# KiCad board pcb.kicad_pcb
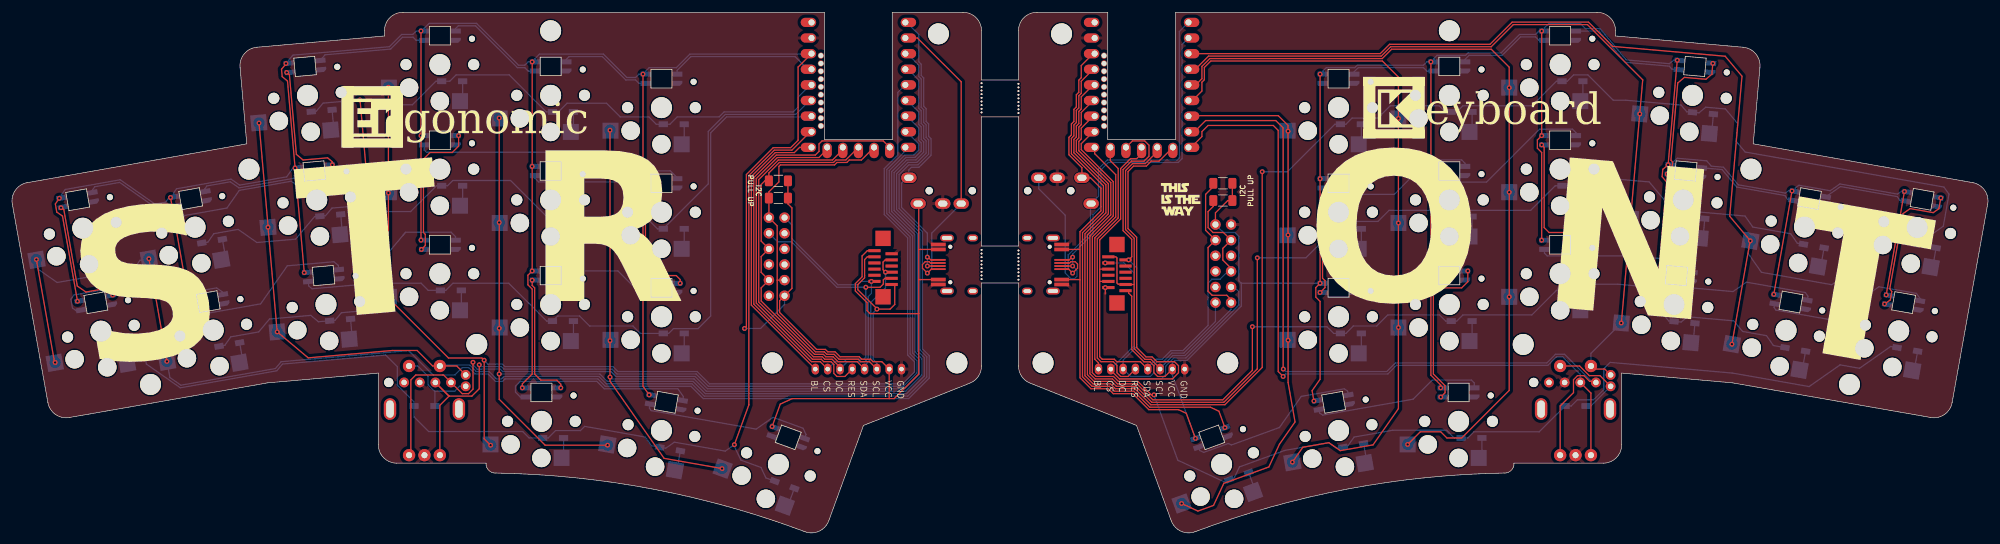
[diagram p0: board, top side]
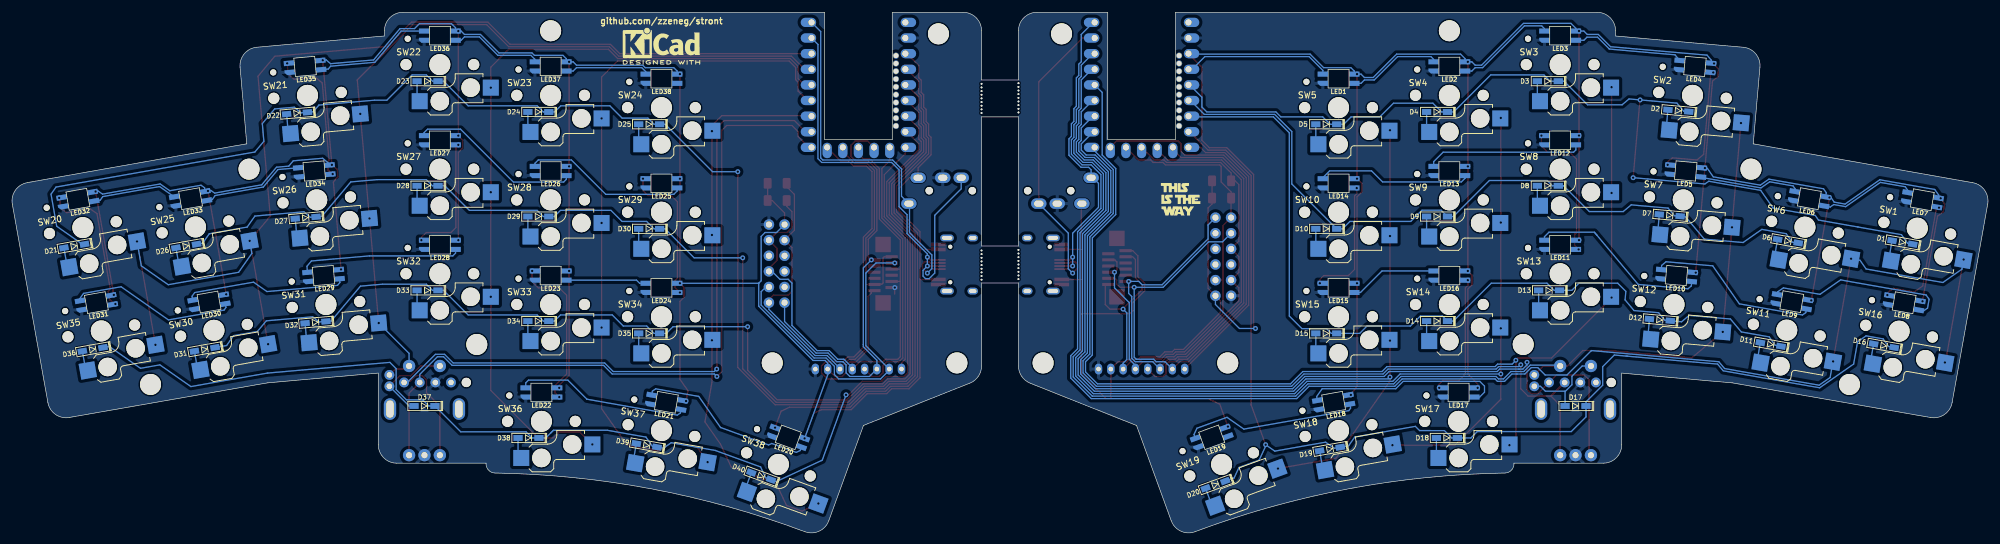
[diagram p1: board, bottom side, seen from below]

Outline 321.01 x 84.63 mm; copper layers: Top, Bottom. Coordinates in mm from the lower left corner of the outline.
Outline path: 0.05,53.45 arc(0.54,55.7) 2.48,56.94 38.14,63.25 37.05,75.7 arc(37.74,77.89) 39.77,78.95 60.5,80.78 60.5,81.63 arc(61.38,83.75) 63.5,84.63 132,84.63 132,63.93 143,63.93 143,84.63 154.5,84.63 arc(156.62,83.75) 157.5,81.63 157.5,73.63 163.5,73.63 163.5,81.63 arc(164.38,83.75) 166.5,84.63 178,84.63 178,63.93 189,63.93 189,84.63 257.5,84.63 arc(259.62,83.75) 260.5,81.63 260.5,80.78 281.23,78.95 arc(283.27,77.89) 283.96,75.7 282.87,63.25 318.53,56.94 arc(320.47,55.7) 320.96,53.45 315.18,21.18 arc(313.94,19.25) 311.71,18.76 279.47,24.39 261.5,25.98 261.5,14.33 arc(260.62,12.21) 258.5,11.33 244,11.33 244,11.23 arc(243.57,10.18) 242.53,9.73 arc(216.95,7.13) 192.2,0.19 arc(189.89,0.27) 188.32,1.97 182.68,17.46 165.39,24.34 arc(164.02,25.45) 163.5,27.13 163.5,40.63 157.5,40.63 157.5,27.13 arc(156.99,25.45) 155.61,24.34 138.32,17.46 132.68,1.97 arc(131.12,0.27) 128.81,0.19 arc(104.06,7.13) 78.48,9.73 arc(77.43,10.18) 77,11.23 77,11.33 62.5,11.33 arc(60.38,12.21) 59.5,14.33 59.5,25.98 41.54,24.39 9.3,18.76 arc(7.06,19.25) 5.83,21.18 0.05,53.45 ; 157.5,67.63 157.5,46.63 163.5,46.63 163.5,67.63 157.5,67.63
Stack: Top 0.035mm / dielectric 1.51mm FR4 er 4.5 / Bottom 0.035mm

## Placement (name value [footprint] x y rotation side)
BR1  MountingHole  [Hole_Breakaway-Tabs]  157.5 70.73 90 top
BR2  MountingHole  [Hole_Breakaway-Tabs]  157.5 43.63 90 top
BR3  MountingHole  [Hole_Breakaway-Tabs]  163.5 70.63 90 top
BR4  MountingHole  [Hole_Breakaway-Tabs]  163.5 43.54 90 top
CIRQUE1  Conn_01x12_Female  [Connector_FFC-FPC-vertical-12pin]  141.5 43.13 0 top
CIRQUE2  Conn_01x12_Female  [Connector_FPC-FFC-adapter-12pin]  125.5 38.55 180 top
CIRQUE3  Conn_01x12_Female  [Connector_FFC-FPC-vertical-12pin]  179.5 42.13 180 top
CIRQUE4  Conn_01x12_Female  [Connector_FPC-FFC-adapter-12pin]  195.5 50.13 0 top
D1  D_Small  [Diode_1N4148-SOD123]  13.9 47.23 10 bottom
D2  D_Small  [Diode_1N4148-SOD123]  50.3 68.63 5 bottom
D3  D_Small  [Diode_1N4148-SOD123]  71.5 73.43 0 bottom
D4  D_Small  [Diode_1N4148-SOD123]  89.5 68.43 0 bottom
D5  D_Small  [Diode_1N4148-SOD123]  107.5 66.43 0 bottom
D6  D_Small  [Diode_1N4148-SOD123]  32.5 47.43 10 bottom
D7  D_Small  [Diode_1N4148-SOD123]  51.7 51.63 5 bottom
D8  D_Small  [Diode_1N4148-SOD123]  71.5 56.43 0 bottom
D9  D_Small  [Diode_1N4148-SOD123]  89.5 51.43 0 bottom
D10  D_Small  [Diode_1N4148-SOD123]  107.5 49.43 0 bottom
D11  D_Small  [Diode_1N4148-SOD123]  35.3 30.63 10 bottom
D12  D_Small  [Diode_1N4148-SOD123]  53.3 34.63 5 bottom
D13  D_Small  [Diode_1N4148-SOD123]  71.3 39.43 0 bottom
D14  D_Small  [Diode_1N4148-SOD123]  89.5 34.43 0 bottom
D15  D_Small  [Diode_1N4148-SOD123]  107.5 32.43 0 bottom
D16  D_Small  [Diode_1N4148-SOD123]  16.9 30.43 10 bottom
D17  D_Small  [Diode_1N4148-SOD123]  67 20.63 0 bottom
D18  D_Small  [Diode_1N4148-SOD123]  87.9 15.43 0 bottom
D19  D_Small  [Diode_1N4148-SOD123]  106.9 13.63 350 bottom
D20  D_Small  [Diode_1N4148-SOD123]  125.5 7.83 340 bottom
D21  D_Small  [Diode_1N4148-SOD123]  310.9 46.63 350 bottom
D22  D_Small  [Diode_1N4148-SOD123]  274.7 68.23 355 bottom
D23  D_Small  [Diode_1N4148-SOD123]  253.5 73.43 0 bottom
D24  D_Small  [Diode_1N4148-SOD123]  235.5 68.43 0 bottom
D25  D_Small  [Diode_1N4148-SOD123]  217.5 66.43 0 bottom
D26  D_Small  [Diode_1N4148-SOD123]  292.7 46.63 350 bottom
D27  D_Small  [Diode_1N4148-SOD123]  273.3 51.23 355 bottom
D28  D_Small  [Diode_1N4148-SOD123]  253.5 56.43 0 bottom
D29  D_Small  [Diode_1N4148-SOD123]  235.5 51.43 0 bottom
D30  D_Small  [Diode_1N4148-SOD123]  217.5 49.43 0 bottom
D31  D_Small  [Diode_1N4148-SOD123]  289.7 29.83 350 bottom
D32  D_Small  [Diode_1N4148-SOD123]  271.7 34.23 355 bottom
D33  D_Small  [Diode_1N4148-SOD123]  253.5 39.43 0 bottom
D34  D_Small  [Diode_1N4148-SOD123]  235.5 34.43 0 bottom
D35  D_Small  [Diode_1N4148-SOD123]  217.5 32.43 0 bottom
D36  D_Small  [Diode_1N4148-SOD123]  307.9 29.83 350 bottom
D37  D_Small  [Diode_1N4148-SOD123]  254 20.63 0 bottom
D38  D_Small  [Diode_1N4148-SOD123]  237.1 15.43 0 bottom
D39  D_Small  [Diode_1N4148-SOD123]  217.9 14.23 10 bottom
D40  D_Small  [Diode_1N4148-SOD123]  199.3 9.23 20 bottom
DISP1  Display_generic-spi-8pin  [Connector_Display-8pin-SPI-2.0mm]  144.5 26.63 180 top
DISP2  Display_generic-spi-8pin  [Connector_Display-8pin-SPI-2.0mm]  190.5 26.63 180 top
H1  MountingHole  [Hole_M2-spacer]  153.5 27.63 0 top
H2  MountingHole  [Hole_M2-spacer]  22.5 24.13 0 top
H3  MountingHole  [Hole_M2-spacer]  38.5 59.13 0 top
H4  MountingHole  [Hole_M2-spacer]  87.5 81.63 0 top
H6  MountingHole  [Hole_M2-spacer]  123.5 27.63 0 top
H7  MountingHole  [Hole_M2-spacer]  75.5 30.63 0 top
H9  MountingHole  [Hole_M2-spacer]  197.5 27.63 0 top
H10  MountingHole  [Hole_M2-spacer]  298.5 24.13 0 top
H12  MountingHole  [Hole_M2-spacer]  245.5 30.63 0 top
H13  MountingHole  [Hole_M2-spacer]  167.5 27.63 0 top
H14  MountingHole  [Hole_M2-spacer]  233.5 81.63 0 top
H15  MountingHole  [Hole_M2-spacer]  282.5 59.13 0 top
H17  MountingHole  [Hole_M2-spacer]  150.5 81.13 0 top
H19  MountingHole  [Hole_M2-spacer]  170.5 81.13 0 top
LED1  YS-SK6812MINI-E  [LED_SK6812-MINI-E]  105.5 73.83 0 top
LED2  YS-SK6812MINI-E  [LED_SK6812-MINI-E]  87.5 75.83 0 top
LED3  YS-SK6812MINI-E  [LED_SK6812-MINI-E]  69.5 80.83 0 top
LED4  YS-SK6812MINI-E  [LED_SK6812-MINI-E]  47.6 75.83 5 top
LED5  YS-SK6812MINI-E  [LED_SK6812-MINI-E]  49.1 58.83 5 top
LED6  YS-SK6812MINI-E  [LED_SK6812-MINI-E]  29.02 54.33 10 top
LED7  YS-SK6812MINI-E  [LED_SK6812-MINI-E]  10.67 54.16 10 top
LED8  YS-SK6812MINI-E  [LED_SK6812-MINI-E]  13.62 37.42 10 top
LED9  YS-SK6812MINI-E  [LED_SK6812-MINI-E]  31.87 37.59 10 top
LED10  YS-SK6812MINI-E  [LED_SK6812-MINI-E]  50.6 41.83 5 top
LED11  YS-SK6812MINI-E  [LED_SK6812-MINI-E]  69.5 46.83 0 top
LED12  YS-SK6812MINI-E  [LED_SK6812-MINI-E]  69.5 63.83 0 top
LED13  YS-SK6812MINI-E  [LED_SK6812-MINI-E]  87.5 58.83 0 top
LED14  YS-SK6812MINI-E  [LED_SK6812-MINI-E]  105.5 56.83 0 top
LED15  YS-SK6812MINI-E  [LED_SK6812-MINI-E]  105.5 39.83 0 top
LED16  YS-SK6812MINI-E  [LED_SK6812-MINI-E]  87.5 41.83 0 top
LED17  YS-SK6812MINI-E  [LED_SK6812-MINI-E]  86 22.83 0 top
LED18  YS-SK6812MINI-E  [LED_SK6812-MINI-E]  106.3 21.23 350 top
LED19  YS-SK6812MINI-E  [LED_SK6812-MINI-E]  126.1 15.53 340 top
LED20  YS-SK6812MINI-E  [LED_SK6812-MINI-E]  194.9 15.53 20 top
LED21  YS-SK6812MINI-E  [LED_SK6812-MINI-E]  214.7 21.23 10 top
LED22  YS-SK6812MINI-E  [LED_SK6812-MINI-E]  235 22.83 0 top
LED23  YS-SK6812MINI-E  [LED_SK6812-MINI-E]  233.5 41.83 0 top
LED24  YS-SK6812MINI-E  [LED_SK6812-MINI-E]  215.5 39.83 0 top
LED25  YS-SK6812MINI-E  [LED_SK6812-MINI-E]  215.5 56.83 0 top
LED26  YS-SK6812MINI-E  [LED_SK6812-MINI-E]  233.5 58.83 0 top
LED27  YS-SK6812MINI-E  [LED_SK6812-MINI-E]  251.5 63.83 0 top
LED28  YS-SK6812MINI-E  [LED_SK6812-MINI-E]  251.5 46.83 0 top
LED29  YS-SK6812MINI-E  [LED_SK6812-MINI-E]  270.4 41.83 355 top
LED30  YS-SK6812MINI-E  [LED_SK6812-MINI-E]  289 37.53 350 top
LED31  YS-SK6812MINI-E  [LED_SK6812-MINI-E]  307.3 37.43 350 top
LED32  YS-SK6812MINI-E  [LED_SK6812-MINI-E]  310.3 54.23 350 top
LED33  YS-SK6812MINI-E  [LED_SK6812-MINI-E]  292 54.33 350 top
LED34  YS-SK6812MINI-E  [LED_SK6812-MINI-E]  271.9 58.83 355 top
LED35  YS-SK6812MINI-E  [LED_SK6812-MINI-E]  273.4 75.83 355 top
LED36  YS-SK6812MINI-E  [LED_SK6812-MINI-E]  251.5 80.83 0 top
LED37  YS-SK6812MINI-E  [LED_SK6812-MINI-E]  233.5 75.83 0 top
LED38  YS-SK6812MINI-E  [LED_SK6812-MINI-E]  215.5 73.83 0 top
MCU1  rp2040-zero  [MCU_rp2040-zero-tht-pads]  137.5 72.83 0 top
MCU2  rp2040-zero  [MCU_rp2040-zero-tht-pads]  183.5 72.83 0 top
R1  R  [R_1206_3216Metric_Pad1.30x1.75mm_HandSolder]  124.5 57.23 180 top
R2  R  [R_1206_3216Metric_Pad1.30x1.75mm_HandSolder]  124.5 54.43 180 top
R3  R  [R_1206_3216Metric_Pad1.30x1.75mm_HandSolder]  196.7 54.03 180 top
R4  R  [R_1206_3216Metric_Pad1.30x1.75mm_HandSolder]  196.7 56.83 180 top
RE1  RotaryEncoder_Switch  [RotaryEncoder_EC11]  67 20.13 90 top
RE2  RotaryEncoder_Switch  [RotaryEncoder_EC11]  254 20.13 90 top
REF**  -  [Logo_PCBWay-small]  187.5 54.13 0 top
REF**#2  -  [Logo_QMK-soldermask]  105.5 79.63 0 top
REF**#3  -  [Logo_stront-small]  133.5 53.13 0 top
REF**#4  -  [Display_1.69inch]  183.5 59.63 180 top
REF**#5  -  [Display_1.69inch]  137.5 59.63 180 top
REF**#6  -  [KiCad-Logo2_5mm_SilkScreen]  215.5 79.13 180 bottom
REF**#7  -  [Logo_PCBWay-small]  133.5 54.13 180 bottom
REF**#8  -  [Logo_stront-small]  187.5 53.13 180 bottom
ROLL1  RollerEncoder_EVQWGD001  [RotaryEncoder_EVQWGD001]  67.5 18.83 270 top
ROLL2  RollerEncoder_EVQWGD001  [RotaryEncoder_EVQWGD001]  253.5 18.83 270 top
SW1  Switch  [Switch_ChocV1-hotswap]  11.49 49.53 10 top
SW2  Switch  [Switch_ChocV1-hotswap]  48 71.13 5 top
SW3  Switch  [Switch_ChocV1-hotswap]  69.5 76.13 0 top
SW4  Switch  [Switch_ChocV1-hotswap]  87.5 71.13 0 top
SW5  Switch  [Switch_ChocV1-hotswap]  105.5 69.13 0 top
SW6  Switch  [Switch_ChocV1-hotswap]  29.74 49.7 10 top
SW7  Switch  [Switch_ChocV1-hotswap]  49.5 54.13 5 top
SW8  Switch  [Switch_ChocV1-hotswap]  69.5 59.13 0 top
SW9  Switch  [Switch_ChocV1-hotswap]  87.5 54.13 0 top
SW10  Switch  [Switch_ChocV1-hotswap]  105.5 52.13 0 top
SW11  Switch  [Switch_ChocV1-hotswap]  32.69 32.96 10 top
SW12  Switch  [Switch_ChocV1-hotswap]  51 37.13 5 top
SW13  Switch  [Switch_ChocV1-hotswap]  69.5 42.13 0 top
SW14  Switch  [Switch_ChocV1-hotswap]  87.5 37.13 0 top
SW15  Switch  [Switch_ChocV1-hotswap]  105.5 35.13 0 top
SW16  Switch  [Switch_ChocV1-hotswap]  14.44 32.79 10 top
SW17  Switch  [Switch_ChocV1-hotswap]  86 18.13 0 top
SW18  Switch  [Switch_ChocV1-hotswap]  105.5 16.63 350 top
SW19  Switch  [Switch_ChocV1-hotswap]  124.5 11.13 340 top
SW20  Switch  [Switch_ChocV1-hotswap]  309.5 49.63 350 top
SW21  Switch  [Switch_ChocV1-hotswap]  273 71.13 355 top
SW22  Switch  [Switch_ChocV1-hotswap]  251.5 76.13 0 top
SW23  Switch  [Switch_ChocV1-hotswap]  233.5 71.13 0 top
SW24  Switch  [Switch_ChocV1-hotswap]  215.5 69.13 0 top
SW25  Switch  [Switch_ChocV1-hotswap]  291.2 49.73 350 top
SW26  Switch  [Switch_ChocV1-hotswap]  271.5 54.13 355 top
SW27  Switch  [Switch_ChocV1-hotswap]  251.5 59.13 0 top
SW28  Switch  [Switch_ChocV1-hotswap]  233.5 54.13 0 top
SW29  Switch  [Switch_ChocV1-hotswap]  215.5 52.13 0 top
SW30  Switch  [Switch_ChocV1-hotswap]  288.2 32.93 350 top
SW31  Switch  [Switch_ChocV1-hotswap]  270 37.13 355 top
SW32  Switch  [Switch_ChocV1-hotswap]  251.5 42.13 0 top
SW33  Switch  [Switch_ChocV1-hotswap]  233.5 37.13 0 top
SW34  Switch  [Switch_ChocV1-hotswap]  215.5 35.13 0 top
SW35  Switch  [Switch_ChocV1-hotswap]  306.5 32.83 350 top
SW36  Switch  [Switch_ChocV1-hotswap]  235 18.13 0 top
SW37  Switch  [Switch_ChocV1-hotswap]  215.5 16.63 10 top
SW38  Switch  [Switch_ChocV1-hotswap]  196.5 11.13 20 top
TRRS1  AudioJack4  [Connector_TRRS]  157.5 55.63 270 top
TRRS2  AudioJack4  [Connector_TRRS]  163.5 55.63 90 top
USB1  Connector_HRO-TYPE-C-31-M-12  [Connector_HRO-TYPE-C-31-M-12-data]  158.68 43.63 90 top
USB2  Connector_HRO-TYPE-C-31-M-12  [Connector_HRO-TYPE-C-31-M-12-data]  162.33 43.63 270 top

## Library data of the parts
BR1-BR4 H1-H4 H6 H7 H9 H10 H12-H15 H17 H19 = -: Description: Mounting Hole without connection
D1-D40 = -: Description: Diode, small symbol; Sim.Device: D; Sim.Pins: 1=K 2=A
R1-R4 = -: Description: Resistor
RE1 RE2 = -: Description: Rotary encoder, dual channel, incremental quadrate outputs, with switch
TRRS1 TRRS2 = -: Description: Audio Jack, 4 Poles (TRRS)

## Footprints (pads in the part's own frame, mm; a bottom-side part is the same pattern mirrored in y, then rotated)
Connector_Display-8pin-SPI-2.0mm
  oval 1.2x1.75 hole 0.75: 1(0,0) 2(2,0) 3(4,0) 4(6,0) 5(8,0) 6(10,0) 7(12,0) 8(14,0)
Connector_FFC-FPC-vertical-12pin
  rect 2.5x2.5 smd: (0,4.75) (0,-4.75)
  custom 2x0.5 smd: 1(-1.9,2.75) 2(1.9,2.25) 3(-1.9,1.75) 4(1.9,1.25) 5(-1.9,0.75) 6(1.9,0.25) 8(1.9,-0.75) 9(-1.9,-1.25) 10(1.9,-1.75) 11(-1.9,-2.25) 12(1.9,-2.75)
  rect 2x0.5 smd: 7(-1.4,-0.25)
Connector_FPC-FFC-adapter-12pin
  round 1.7 hole 1: 1(0,0)
  oval 1.7x1.7 hole 1: 2(2.54,0) 3(0,-2.54) 4(2.54,-2.54) 5(0,-5.08) 6(2.54,-5.08) 7(0,-7.62) 8(2.54,-7.62) 9(0,-10.16) 10(2.54,-10.16) 11(0,-12.7) 12(2.54,-12.7)
Connector_HRO-TYPE-C-31-M-12-data
  round 0.65 hole 0.65 unplated: (-2.89,6.25) (2.89,6.25)
  custom 0.6x2.4 smd: 1(-3.25,9.1) 2(-2.45,9.1) 11(2.45,9.1) 12(3.25,9.1)
  custom 0.3x2.4 smd: 5(-0.75,9.1) 6(-0.25,9.1) 7(0.25,9.1) 8(0.75,9.1)
  oval 1.1x2.2 hole 0.6x1.7: 13(-4.32,6.78) 13(4.32,6.78)
  oval 1.1x1.7 hole 0.6x1.2: 13(-4.32,2.6) 13(4.32,2.6)
Connector_TRRS
  round 1.2 hole 1.2 unplated: (0,-1.5) (0,-8.5)
  oval 1.7x2.5 hole 1x1.5: R1(2.1,-6.3) R2(2.1,-3.3) S(-2.1,-11.8) T(2.1,-10.3)
Diode_1N4148-SOD123
  rect 1.5x0.95 smd: 1(-1.7,0) 2(1.7,0)
Hole_Breakaway-Tabs
  round 0.3 hole 0.3 unplated: (-2.375,0) (-1.781,0) (-1.188,0) (-0.594,0) (0,0) (0.594,0) (1.188,0) (1.781,0) (2.375,0)
Hole_M2-spacer
  round 3.4 hole 3.4 unplated: (0,0)
LED_SK6812-MINI-E
  rect 1.7x0.82 smd far side: 1(-2.55,0.75) 2(-2.55,-0.75) 4(2.55,0.75)
  rrect 1.7x0.82 smd far side: 3(2.55,-0.75)
MCU_rp2040-zero-tht-pads
  oval 2.5x1.5 hole 1: 1(7.62,10.16) 2(7.62,7.62) 3(7.62,5.08) 4(7.62,2.54) 5(7.62,0) 6(7.62,-2.54) 7(7.62,-5.08) 8(7.62,-7.62) 9(7.62,-10.16) 15(-7.62,-10.16) 16(-7.62,-7.62) 17(-7.62,-5.08) 18(-7.62,-2.54) 19(-7.62,0) 20(-7.62,2.54) 21(-7.62,5.08) 22(-7.62,7.62) 23(-7.62,10.16)
  oval 1.5x2.5 hole 1: 10(5.08,-10.16) 11(2.54,-10.16) 12(0,-10.16) 13(-2.54,-10.16) 14(-5.08,-10.16)
  round 1 hole 0.8: 24(-6.096,-6.674) 25(-6.096,-5.404) 26(-6.096,-4.134) 27(-6.096,-2.864) 28(-6.096,-1.594) 29(-6.096,-0.324) 30(-6.096,0.946) 31(-6.096,2.216) 32(-6.096,3.486) 33(-6.096,4.756)
R_1206_3216Metric_Pad1.30x1.75mm_HandSolder
  rrect 1.3x1.75 smd: 1(-1.55,0) 2(1.55,0)
RotaryEncoder_EC11
  oval 3.5x2 hole 2.8x1.2: (0,5.6) (0,-5.6)
  round 2 hole 1: A(-7.5,2.5) B(-7.5,-2.5) C(-7.5,0) S1(7,-2.5) S2(7,2.5)
RotaryEncoder_EVQWGD001
  round 1.5 hole 1.5 unplated: (-5.625,-6.3)
  round 1.6 hole 0.9: A(-5.625,3.81) B(-5.625,1.27) C(-5.625,-1.27) D(-5.625,-3.81) S1(-6.85,6.2) S2(-5,6.2)
Switch_ChocV1-hotswap
  round 1.8 hole 1.8 unplated: (-5.5,0) (5.5,0)
  round 3 hole 3 unplated: (-5,-3.75) (0,-5.95)
  round 3.4 hole 3.4 unplated: (0,0)
  round 0.991 hole 0.991 unplated: (5.22,4.2)
  rect 2.6x2.6 smd far side: 1(3.275,-5.95) 2(-8.275,-3.75)

## Nets
GND: CIRQUE1.2 CIRQUE2.2 DISP1.1 LED1.3 LED2.3 LED3.3 LED4.3 LED5.3 LED6.3 LED7.3 LED8.3 LED9.3 LED10.3 LED11.3 LED12.3 LED13.3 LED14.3 LED15.3 LED16.3 LED17.3 LED18.3 LED19.3 MCU1.22 RE1.C ROLL1.C TRRS1.R1 USB1.1 USB1.12
GNDA: CIRQUE3.2 CIRQUE4.2 DISP2.1 LED20.3 LED21.3 LED22.3 LED23.3 LED24.3 LED25.3 LED26.3 LED27.3 LED28.3 LED29.3 LED30.3 LED31.3 LED32.3 LED33.3 LED34.3 LED35.3 LED36.3 LED37.3 LED38.3 MCU2.22 RE2.C ROLL2.C TRRS2.R1 USB2.1 USB2.12
VCC: CIRQUE1.1 CIRQUE2.1 DISP1.2 LED1.1 LED2.1 LED3.1 LED4.1 LED5.1 LED6.1 LED7.1 LED8.1 LED9.1 LED10.1 LED11.1 LED12.1 LED13.1 LED14.1 LED15.1 LED16.1 LED17.1 LED18.1 LED19.1 MCU1.21 R1.1 R2.1 TRRS1.T USB1.2 USB1.11
VDD: CIRQUE3.1 CIRQUE4.1 DISP2.2 LED20.1 LED21.1 LED22.1 LED23.1 LED24.1 LED25.1 LED26.1 LED27.1 LED28.1 LED29.1 LED30.1 LED31.1 LED32.1 LED33.1 LED34.1 LED35.1 LED36.1 LED37.1 LED38.1 MCU2.21 R3.1 R4.1 TRRS2.T USB2.2 USB2.11
BL: DISP1.8 MCU1.15
BL_r: DISP2.8 MCU2.15
col0: MCU1.3 SW1.2 SW6.2 SW11.2 SW16.2
col0_r: MCU2.3 SW20.2 SW25.2 SW30.2 SW35.2
col1: MCU1.4 RE1.S1 ROLL1.S1 SW2.2 SW7.2 SW12.2
col1_r: MCU2.4 RE2.S1 ROLL2.S1 SW21.2 SW26.2 SW31.2
col2: MCU1.5 SW3.2 SW8.2 SW13.2 SW17.2
col2_r: MCU2.5 SW22.2 SW27.2 SW32.2 SW36.2
col3: MCU1.6 SW4.2 SW9.2 SW14.2 SW18.2
col3_r: MCU2.6 SW23.2 SW28.2 SW33.2 SW37.2
col4: MCU1.7 SW5.2 SW10.2 SW15.2 SW19.2
col4_r: MCU2.7 SW24.2 SW29.2 SW34.2 SW38.2
CS: CIRQUE1.10 CIRQUE2.10 DISP1.7 MCU1.10
CS_r: CIRQUE3.10 CIRQUE4.10 DISP2.7 MCU2.10
ENCA: MCU1.8 RE1.A ROLL1.A
ENCA_r: MCU2.8 RE2.A ROLL2.A
ENCB: MCU1.9 RE1.B ROLL1.B
ENCB_r: MCU2.9 RE2.B ROLL2.B
LED: LED1.4 MCU1.20
LED_r: LED20.4 MCU2.20
MISO: CIRQUE1.11 CIRQUE2.11 DISP1.6 MCU1.13
MISO_r: CIRQUE3.11 CIRQUE4.11 DISP2.6 MCU2.13
MOSI/SCL: CIRQUE1.4 CIRQUE1.8 CIRQUE2.4 CIRQUE2.8 DISP1.4 MCU1.12 R1.2
MOSI/SCL_r: CIRQUE3.4 CIRQUE3.8 CIRQUE4.4 CIRQUE4.8 DISP2.4 MCU2.12 R3.2
row0: D1.1 D2.1 D3.1 D4.1 D5.1 MCU1.19
row0_r: D21.1 D22.1 D23.1 D24.1 D25.1 MCU2.19
row1: D6.1 D7.1 D8.1 D9.1 D10.1 MCU1.18
row1_r: D26.1 D27.1 D28.1 D29.1 D30.1 MCU2.18
row2: D11.1 D12.1 D13.1 D14.1 D15.1 MCU1.17
row2_r: D31.1 D32.1 D33.1 D34.1 D35.1 MCU2.17
row3: D16.1 D17.1 D18.1 D19.1 D20.1 MCU1.16
row3_r: D36.1 D37.1 D38.1 D39.1 D40.1 MCU2.16
RST: DISP1.5 MCU1.14
RST_r: DISP2.5 MCU2.14
RX: MCU1.2 TRRS1.R2 USB1.5 USB1.7
RX_r: MCU2.2 TRRS2.R2 USB2.5 USB2.7
SCLK/SDA: CIRQUE1.3 CIRQUE1.12 CIRQUE2.3 CIRQUE2.12 DISP1.3 MCU1.11 R2.2
SCLK/SDA_r: CIRQUE3.3 CIRQUE3.12 CIRQUE4.3 CIRQUE4.12 DISP2.3 MCU2.11 R4.2
SW_ENCA: D17.2 RE1.S2 ROLL1.S2
SW_ENCA_r: D37.2 RE2.S2 ROLL2.S2
TX: MCU1.1 TRRS1.S USB1.6 USB1.8
TX_r: MCU2.1 TRRS2.S USB2.6 USB2.8
Net-(D1-A): D1.2 SW1.1
Net-(D2-A): D2.2 SW2.1
Net-(D3-A): D3.2 SW3.1
Net-(D4-A): D4.2 SW4.1
Net-(D5-A): D5.2 SW5.1
Net-(D6-A): D6.2 SW6.1
Net-(D7-A): D7.2 SW7.1
Net-(D8-A): D8.2 SW8.1
Net-(D9-A): D9.2 SW9.1
Net-(D10-A): D10.2 SW10.1
Net-(D11-A): D11.2 SW11.1
Net-(D12-A): D12.2 SW12.1
Net-(D13-A): D13.2 SW13.1
Net-(D14-A): D14.2 SW14.1
Net-(D15-A): D15.2 SW15.1
Net-(D16-A): D16.2 SW16.1
Net-(D18-A): D18.2 SW17.1
Net-(D19-A): D19.2 SW18.1
Net-(D20-A): D20.2 SW19.1
Net-(D21-A): D21.2 SW20.1
Net-(D22-A): D22.2 SW21.1
Net-(D23-A): D23.2 SW22.1
Net-(D24-A): D24.2 SW23.1
Net-(D25-A): D25.2 SW24.1
Net-(D26-A): D26.2 SW25.1
Net-(D27-A): D27.2 SW26.1
Net-(D28-A): D28.2 SW27.1
Net-(D29-A): D29.2 SW28.1
Net-(D30-A): D30.2 SW29.1
Net-(D31-A): D31.2 SW30.1
Net-(D32-A): D32.2 SW31.1
Net-(D33-A): D33.2 SW32.1
Net-(D34-A): D34.2 SW33.1
Net-(D35-A): D35.2 SW34.1
Net-(D36-A): D36.2 SW35.1
Net-(D38-A): D38.2 SW36.1
Net-(D39-A): D39.2 SW37.1
Net-(D40-A): D40.2 SW38.1
Net-(LED1-DOUT): LED1.2 LED2.4
Net-(LED2-DOUT): LED2.2 LED3.4
Net-(LED3-DOUT): LED3.2 LED4.4
Net-(LED4-DOUT): LED4.2 LED5.4
Net-(LED5-DOUT): LED5.2 LED6.4
Net-(LED6-DOUT): LED6.2 LED7.4
Net-(LED7-DOUT): LED7.2 LED8.4
Net-(LED8-DOUT): LED8.2 LED9.4
Net-(LED10-DIN): LED9.2 LED10.4
Net-(LED10-DOUT): LED10.2 LED11.4
Net-(LED11-DOUT): LED11.2 LED12.4
Net-(LED12-DOUT): LED12.2 LED13.4
Net-(LED13-DOUT): LED13.2 LED14.4
Net-(LED14-DOUT): LED14.2 LED15.4
Net-(LED15-DOUT): LED15.2 LED16.4
Net-(LED16-DOUT): LED16.2 LED17.4
Net-(LED17-DOUT): LED17.2 LED18.4
Net-(LED18-DOUT): LED18.2 LED19.4
Net-(LED20-DOUT): LED20.2 LED21.4
Net-(LED21-DOUT): LED21.2 LED22.4
Net-(LED22-DOUT): LED22.2 LED23.4
Net-(LED23-DOUT): LED23.2 LED24.4
Net-(LED24-DOUT): LED24.2 LED25.4
Net-(LED25-DOUT): LED25.2 LED26.4
Net-(LED26-DOUT): LED26.2 LED27.4
Net-(LED27-DOUT): LED27.2 LED28.4
Net-(LED28-DOUT): LED28.2 LED29.4
Net-(LED29-DOUT): LED29.2 LED30.4
Net-(LED30-DOUT): LED30.2 LED31.4
Net-(LED31-DOUT): LED31.2 LED32.4
Net-(LED32-DOUT): LED32.2 LED33.4
Net-(LED33-DOUT): LED33.2 LED34.4
Net-(LED34-DOUT): LED34.2 LED35.4
Net-(LED35-DOUT): LED35.2 LED36.4
Net-(LED36-DOUT): LED36.2 LED37.4
Net-(LED37-DOUT): LED37.2 LED38.4

Pads without a net: CIRQUE1 5 6 7 9; CIRQUE2 5 6 7 9; CIRQUE3 5 6 7 9; CIRQUE4 5 6 7 9; LED19 2; LED38 2; MCU1 23 24 25 26 27 28 29 30 31 32 33; MCU2 23 24 25 26 27 28 29 30 31 32 33; ROLL1 D; ROLL2 D; USB1 13; USB2 13

## Via types
v1: diameter 0.8, hole 0.4, Top to Bottom, 125 vias

## Routing (per net, layer and track width the routed paths; a pad name or vN(x,y) marks a point on that pad's centre or on a via; arc(x,y) is an arc through that point)
GNDA: length 1.1
  Top w0.2: v1(177.6,39.88) 177.6,38.83
VCC: length 539.6
  Top w0.2: v1(44.5,76.31) 44.51,76.24 43.78,75.37 43.88,74.18 44.75,73.45 v1(45.99,59.31) v1(47.48,42.31) ; 149.4,41.18 147.35,41.18 147.3,41.23 147.3,35.63 ; v1(102.5,74.58) v1(102.5,57.58) 101.7,56.78 101.7,55.43 102.5,54.63 v1(102.5,40.58) 102.5,23.84 102.54,23.8 v1(103.5,22.43) ; v1(119,33.23) 119.3,33.53 119.3,58.26 123.66,62.62 126.49,62.62 127.7,63.83 127.7,75.73 MCU1.21 ; 10.44,37.62 10.6,37.85 8.2,51.5 7.27,52.15 7.04,53.47 v1(7.69,54.39) ; 147.3,46.08 147.3,41.18 ; 147.3,46.08 147.3,53.43 TRRS1.T ; 147.3,46.08 149.4,46.08 ; 147.3,35.63 139.4,35.63 138.9,36.13 138.9,37.43 137,39.33 137,40.53 138.1,41.63 138.1,45.03 138.95,45.88 CIRQUE1.1 ; 147.3,35.63 147.3,25.83 143.3,21.83 126.73,21.83 124.81,20.93 v1(123.48,17.28) ; v1(66.44,47.59) v1(66.44,64.59) v1(66.44,81.59) ; 142.5,21.83 DISP1.2 141.3,27.83 139.87,27.83 139.47,28.23 138.03,28.23 137.63,28.63 134.51,28.63 133.71,29.43 132.53,29.43 132.13,29.83 130.7,29.83 124.7,35.82 124.7,37.75 CIRQUE2.1 126.7,39.75 126.7,52.83 126.05,53.48 R2.1 R1.1 ; v1(84.5,76.58) v1(84.5,59.58) v1(84.5,42.58) 83.8,41.88 83.8,40.33 84.5,39.63 84.5,25.83 82.9,24.23 v1(82.9,23.58) ; v1(25.75,54.52) v1(28.7,37.79)
  Bottom w0.2: LED3.1 v1(66.44,81.59) ; LED3.1 65.65,81.58 65.1,81.03 63.31,81.03 61.32,79.04 45.63,77.67 44.95,76.86 LED4.1 ; LED3.1 66.95,82.03 67.75,82.83 75.47,82.83 82.27,76.03 83.3,76.03 83.85,76.58 LED2.1 84.95,77.1 85.68,77.83 96.07,77.83 99.87,74.03 101.3,74.03 101.85,74.58 LED1.1 102.95,75.08 103.5,75.63 107.93,75.63 110.13,77.83 129.57,77.83 ; v1(119,33.23) 121.6,33.23 125.5,37.13 CIRQUE2.1 ; v1(45.99,59.31) 45.57,59.24 44.62,57.88 36.97,56.53 35.58,57.51 26.72,55.94 26.26,55.29 LED6.1 ; v1(66.44,64.59) LED12.1 ; LED18.1 103.52,22.41 v1(103.5,22.43) ; 8.06,54.53 8,54.9 8.65,55.83 17.57,57.4 23.21,53.46 24.98,53.77 25.47,54.47 v1(25.75,54.52)
  vias: v1(10.64,37.65)
VDD: length 493.8
  Top w0.2: v1(270.53,76.83) v1(269.04,59.83) 268.17,59.11 268.07,57.91 268.8,57.04 v1(267.55,42.83) ; DISP2.2 187.3,25.43 186.1,25.43 185.5,26.03 185.5,27.18 184.88,27.81 183.89,27.81 181.9,29.8 181.9,38.48 181.4,38.98 CIRQUE3.1 ; v1(212.5,74.58) v1(212.5,57.58) v1(212.5,40.58) 211.8,39.88 211.8,38.33 212.5,37.63 212.5,24.98 211.2,23.12 v1(211.5,21.43) ; v1(192.25,15.36) 190.77,19.44 189.5,20.03 184.67,20.03 182.07,22.63 178.91,22.63 178.11,23.43 175.29,23.43 173.5,25.22 173.5,48.96 176.9,52.36 176.9,56.03 175.2,57.73 TRRS2.T 173.8,59.37 171.7,61.47 171.7,64.3 172.1,64.7 172.1,66.47 172.5,66.87 172.5,68.85 172.9,69.25 172.9,71.22 173.3,71.62 173.3,73.6 173.7,74 173.7,75.97 175.64,77.91 ; R4.1 R3.1 197.5,54.03 195.5,52.03 195.5,50.63 ; v1(304.47,38.69) v1(307.43,55.5) ; v1(232.1,23.58) 232.1,24.03 230.5,25.63 v1(230.5,42.58) v1(230.5,59.58) v1(230.5,76.58) ; v1(248.5,47.58) 248.5,61.83 247.8,62.53 247.8,63.88 v1(248.5,64.58) v1(248.5,81.58) ; 169.6,46.08 173.45,46.08 ; 173.5,41.18 169.6,41.18 ; v1(286.21,38.78) v1(289.17,55.59)